# KiCad board UNI_i6.kicad_pcb
title: zensai65_UNI_i6; rev: v1; company: shoonie
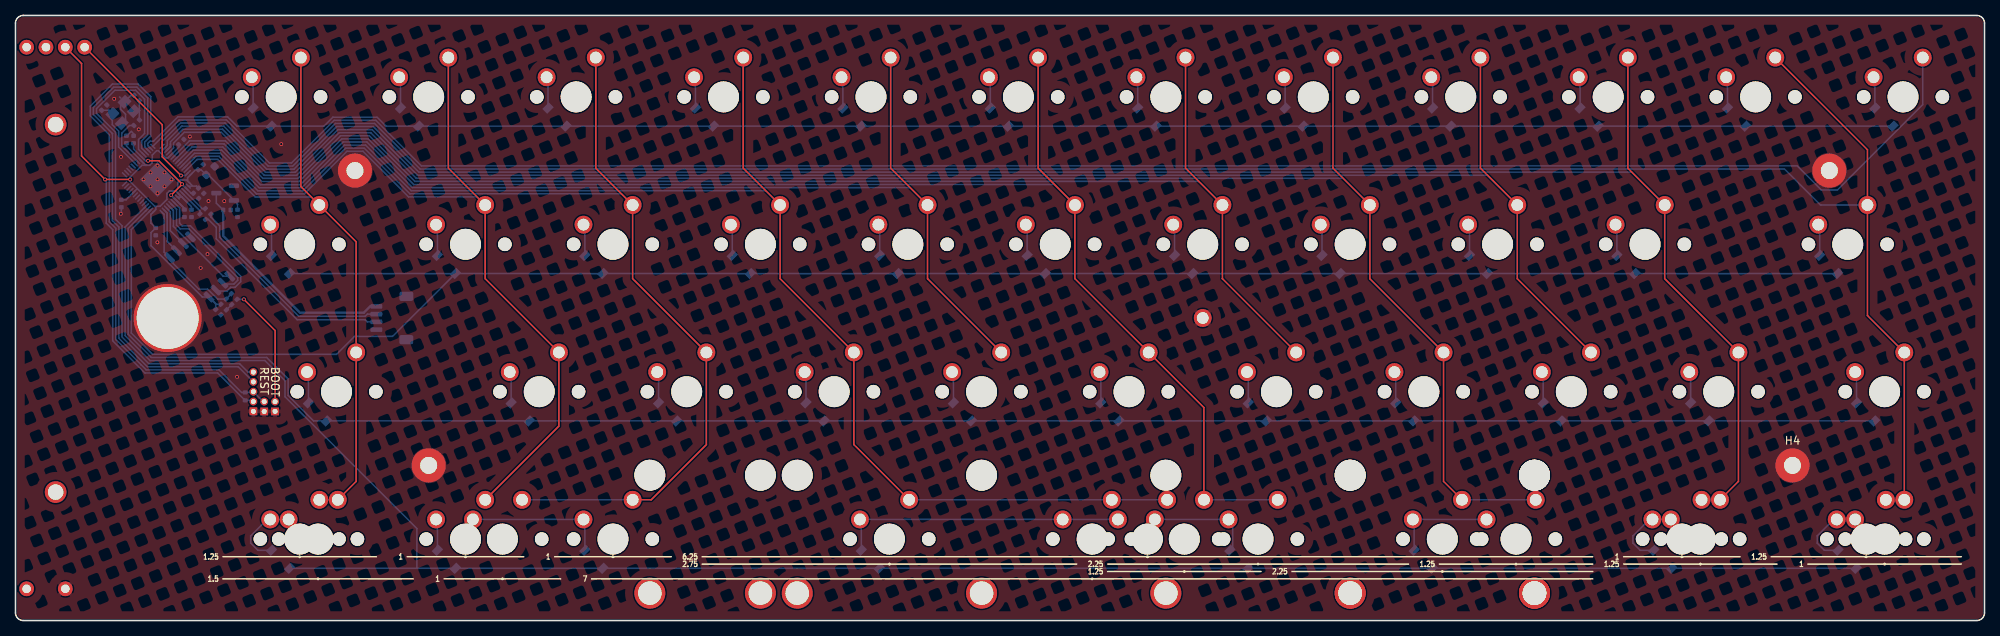
[diagram p0: board, top side]
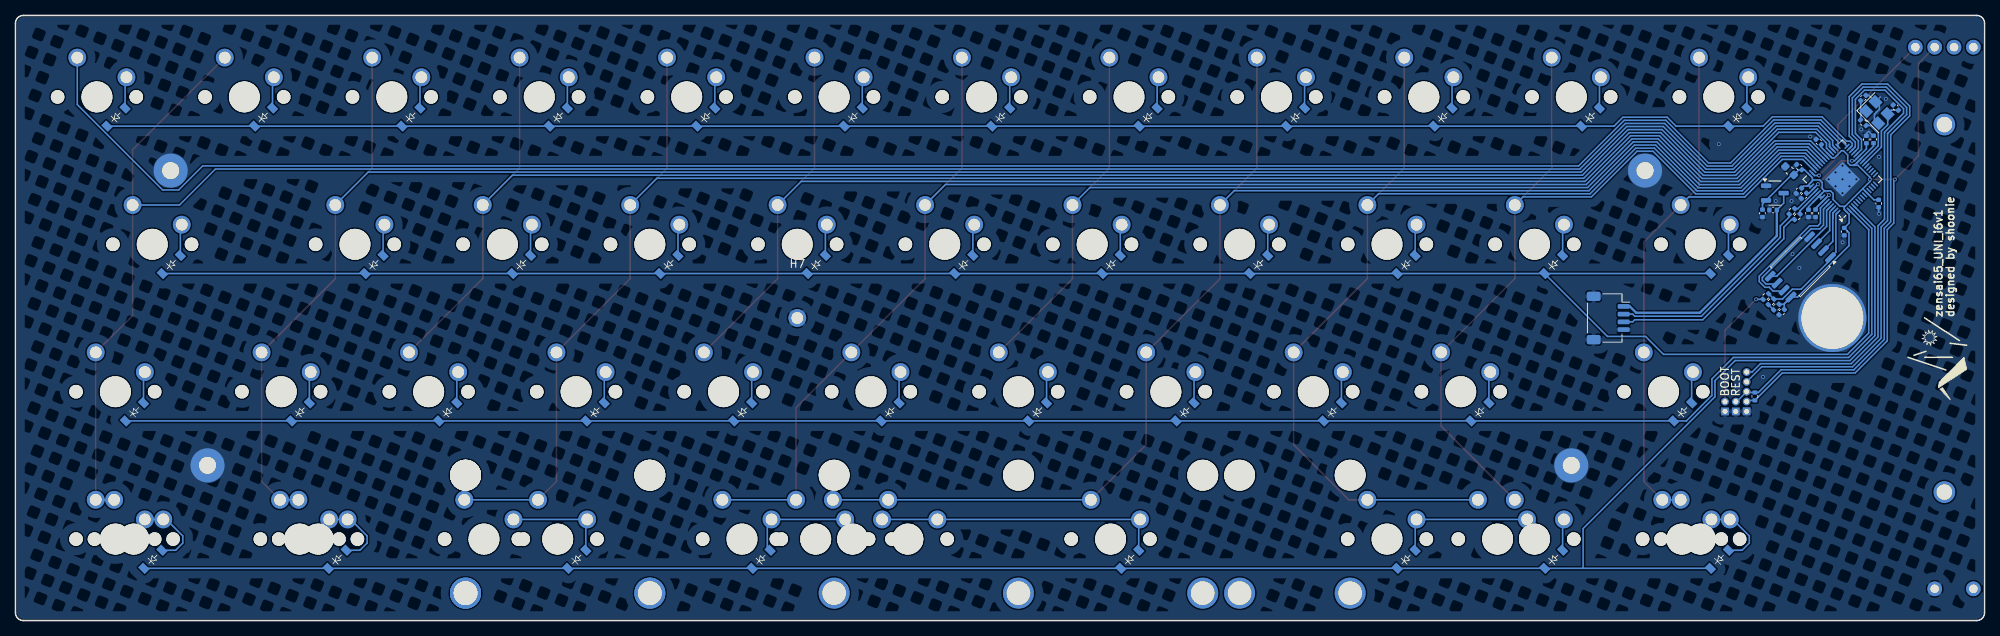
[diagram p1: board, bottom side, seen from below]

Outline 254.41 x 78.2 mm; copper layers: Top, Bottom. Coordinates in mm from the lower left corner of the outline.
Outline path: 0,77.2 0,1 arc(0.29,0.29) 1,0 253.41,0 arc(254.12,0.29) 254.41,1 254.41,77.2 arc(254.12,77.91) 253.41,78.2 1,78.2 arc(0.29,77.91) 0,77.2
Stack: Top 0.035mm / dielectric 1.51mm FR4 er 4.5 / Bottom 0.035mm

## Placement (name value [footprint] x y rotation side)
C1  1u  [C_0402_1005Metric]  27.32 53.06 0 bottom
C2  1u  [C_0402_1005Metric]  28.69 52.63 270 bottom
C3  10u  [C_0603_1608Metric]  25.18 58.14 45 bottom
C4  1u  [C_0402_1005Metric]  23.33 54.89 315 bottom
C5  100n  [C_0402_1005Metric]  21.83 52.63 270 bottom
C6  1u  [C_0402_1005Metric]  23.94 58.6 45 bottom
C7  100n  [C_0402_1005Metric]  23.99 55.55 315 bottom
C8  100n  [C_0402_1005Metric]  22.74 52.63 270 bottom
C9  100n  [C_0402_1005Metric]  21.42 61.85 45 bottom
C10  22p  [C_0402_1005Metric]  11.47 66.29 225 bottom
C11  22p  [C_0402_1005Metric]  15.66 67.54 315 bottom
C12  1u  [C_0402_1005Metric]  26.21 39.86 315 bottom
C13  100n  [C_0402_1005Metric]  15.26 62.16 90 bottom
C14  100n  [C_0402_1005Metric]  14.34 62.18 90 bottom
C15  100n  [C_0402_1005Metric]  18.12 50.26 270 bottom
C16  100n  [C_0402_1005Metric]  13.68 53.9 270 bottom
D1  D_Small  [D_SOD-123_CLEAN]  31.8 65.13 315 bottom
D2  D_Small  [D_SOD-123_CLEAN]  50.85 65.13 315 bottom
D3  D_Small  [D_SOD-123_CLEAN]  69.9 65.13 315 bottom
D4  D_Small  [D_SOD-123_CLEAN]  88.95 65.13 315 bottom
D5  D_Small  [D_SOD-123_CLEAN]  108 65.13 315 bottom
D6  D_Small  [D_SOD-123_CLEAN]  127.05 65.13 315 bottom
D7  D_Small  [D_SOD-123_CLEAN]  146.1 65.13 315 bottom
D8  D_Small  [D_SOD-123_CLEAN]  165.15 65.13 315 bottom
D9  D_Small  [D_SOD-123_CLEAN]  184.2 65.13 315 bottom
D10  D_Small  [D_SOD-123_CLEAN]  203.25 65.13 315 bottom
D11  D_Small  [D_SOD-123_CLEAN]  222.3 65.13 315 bottom
D12  D_Small  [D_SOD-123_CLEAN]  241.35 65.13 315 bottom
D13  D_Small  [D_SOD-123_CLEAN]  34.18 46.08 315 bottom
D14  D_Small  [D_SOD-123_CLEAN]  55.61 46.08 315 bottom
D15  D_Small  [D_SOD-123_CLEAN]  74.66 46.08 315 bottom
D16  D_Small  [D_SOD-123_CLEAN]  93.71 46.08 315 bottom
D17  D_Small  [D_SOD-123_CLEAN]  112.76 46.08 315 bottom
D18  D_Small  [D_SOD-123_CLEAN]  131.81 46.08 315 bottom
D19  D_Small  [D_SOD-123_CLEAN]  150.86 46.08 315 bottom
D20  D_Small  [D_SOD-123_CLEAN]  169.91 46.08 315 bottom
D21  D_Small  [D_SOD-123_CLEAN]  188.96 46.08 315 bottom
D22  D_Small  [D_SOD-123_CLEAN]  208.01 46.08 315 bottom
D23  D_Small  [D_SOD-123_CLEAN]  234.2 46.08 315 bottom
D24  D_Small  [D_SOD-123_CLEAN]  38.94 27.03 315 bottom
D25  D_Small  [D_SOD-123_CLEAN]  65.13 27.03 315 bottom
D26  D_Small  [D_SOD-123_CLEAN]  84.18 27.03 315 bottom
D27  D_Small  [D_SOD-123_CLEAN]  103.23 27.03 315 bottom
D28  D_Small  [D_SOD-123_CLEAN]  122.28 27.03 315 bottom
D29  D_Small  [D_SOD-123_CLEAN]  141.33 27.03 315 bottom
D30  D_Small  [D_SOD-123_CLEAN]  160.38 27.03 315 bottom
D31  D_Small  [D_SOD-123_CLEAN]  179.43 27.03 315 bottom
D32  D_Small  [D_SOD-123_CLEAN]  198.48 27.03 315 bottom
D33  D_Small  [D_SOD-123_CLEAN]  217.53 27.03 315 bottom
D34  D_Small  [D_SOD-123_CLEAN]  238.97 27.03 315 bottom
D35  D_Small  [D_SOD-123_CLEAN]  34.18 7.98 315 bottom
D37  D_Small  [D_SOD-123_CLEAN]  55.61 7.98 315 bottom
D39  D_Small  [D_SOD-123_CLEAN]  74.66 7.98 315 bottom
D40  D_Small  [D_SOD-123_CLEAN]  110.38 7.98 315 bottom
D44  D_Small  [D_SOD-123_CLEAN]  158 7.98 315 bottom
D45  D_Small  [D_SOD-123_CLEAN]  181.82 7.98 315 bottom
D47  D_Small  [D_SOD-123_CLEAN]  212.77 7.98 315 bottom
D49  D_Small  [D_SOD-123_CLEAN]  236.58 7.98 315 bottom
H1  MountingHole_Pad  [MountingHole_2.2mm_M2_Pad]  43.86 58.15 0 top
H2  MountingHole_Pad  [MountingHole_2.2mm_M2_Pad]  234.36 58.15 0 top
H3  MountingHole_Pad  [MountingHole_2.2mm_M2_Pad]  53.39 20.05 0 top
H4  MountingHole_Pad  [MountingHole_2.2mm_M2_Pad]  229.6 20.05 0 top
H5  -  [info]  5.19 39.1 90 bottom
H6  bottom row guide  [bottom_row_guide]  -30.18 3.31 0 top
H7  spring  [MountingHole_6mm_Pad]  153.4 39.1 180 bottom
H8  clearance  [MountingHole_2.2mm_M2_Pad#2]  19.66 39.1 0 top
J1  ZX-SH1.0-4PWT  [JST_SH_SM04B-SRSS-TB_1x04-1MP_P1.00mm_Horizontal]  48.62 39.1 270 bottom
J3  Conn_01x05  [PinHeader_1x05_P1.27mm_Vertical]  30.74 27.03 180 top
R3  5.1k  [R_0402_1005Metric]  29.67 28.97 270 bottom
R4  27  [R_0402_1005Metric]  24.2 52.19 135 bottom
R5  27  [R_0402_1005Metric]  24.88 52.88 135 bottom
R6  1k  [R_0402_1005Metric]  15.66 64.34 225 bottom
R7  1k  [R_0402_1005Metric]  28.26 41.87 135 bottom
R8  5.1k  [R_0402_1005Metric]  27.57 41.19 315 bottom
R9  5.1k  [R_0402_1005Metric]  26.89 40.51 135 bottom
RV1  R_Potentiometer_Dual_MountingPin  [RS6011YA600M]  5.19 39.1 0 top
S40  MX_stab  [STAB_MX_P_2u]  112.92 10.52 180 top
S41  MX_stab  [STAB_MX_P_7u]  139.11 10.52 180 top
S42  MX_stab  [STAB_MX_P_6.25u]  146.26 10.52 180 top
S44  MX_stab  [STAB_MX_P_2u]  160.54 10.52 180 top
S45  MX_stab  [STAB_MX_P_2u]  184.36 10.52 180 top
SW1  MX_SW_solder  [SW_MX_1u]  34.34 67.67 0 top
SW2  MX_SW_solder  [SW_MX_1u]  53.39 67.67 0 top
SW3  MX_SW_solder  [SW_MX_1u]  72.44 67.67 0 top
SW4  MX_SW_solder  [SW_MX_1u]  91.49 67.67 0 top
SW5  MX_SW_solder  [SW_MX_1u]  110.54 67.67 0 top
SW6  MX_SW_solder  [SW_MX_1u]  129.59 67.67 0 top
SW7  MX_SW_solder  [SW_MX_1u]  148.64 67.67 0 top
SW8  MX_SW_solder  [SW_MX_1u]  167.69 67.67 0 top
SW9  MX_SW_solder  [SW_MX_1u]  186.74 67.67 0 top
SW10  MX_SW_solder  [SW_MX_1u]  205.79 67.67 0 top
SW11  MX_SW_solder  [SW_MX_1u]  224.84 67.67 0 top
SW12  MX_SW_solder  [SW_MX_1u]  243.89 67.67 0 top
SW13  MX_SW_solder  [SW_MX_1u]  36.72 48.62 0 top
SW14  MX_SW_solder  [SW_MX_1u]  58.15 48.62 0 top
SW15  MX_SW_solder  [SW_MX_1u]  77.2 48.62 0 top
SW16  MX_SW_solder  [SW_MX_1u]  96.25 48.62 0 top
SW17  MX_SW_solder  [SW_MX_1u]  115.3 48.62 0 top
SW18  MX_SW_solder  [SW_MX_1u]  134.35 48.62 0 top
SW19  MX_SW_solder  [SW_MX_1u]  153.4 48.62 0 top
SW20  MX_SW_solder  [SW_MX_1u]  172.45 48.62 0 top
SW21  MX_SW_solder  [SW_MX_1u]  191.5 48.62 0 top
SW22  MX_SW_solder  [SW_MX_1u]  210.55 48.62 0 top
SW23  MX_SW_solder  [SW_MX_1u]  236.74 48.62 0 top
SW24  MX_SW_solder  [SW_MX_1u]  41.48 29.57 0 top
SW25  MX_SW_solder  [SW_MX_1u]  67.67 29.57 0 top
SW26  MX_SW_solder  [SW_MX_1u]  86.72 29.57 0 top
SW27  MX_SW_solder  [SW_MX_1u]  105.77 29.57 0 top
SW28  MX_SW_solder  [SW_MX_1u]  124.82 29.57 0 top
SW29  MX_SW_solder  [SW_MX_1u]  143.87 29.57 0 top
SW30  MX_SW_solder  [SW_MX_1u]  162.92 29.57 0 top
SW31  MX_SW_solder  [SW_MX_1u]  181.97 29.57 0 top
SW32  MX_SW_solder  [SW_MX_1u]  201.02 29.57 0 top
SW33  MX_SW_solder  [SW_MX_1u]  220.07 29.57 0 top
SW34  MX_SW_solder  [SW_MX_1u]  241.51 29.57 0 top
SW35  MX_SW_solder  [SW_MX_1u]  36.72 10.52 0 top
SW36  MX_SW_solder  [SW_MX_1u]  39.1 10.52 0 top
SW37  MX_SW_solder  [SW_MX_1u]  58.15 10.52 0 top
SW38  MX_SW_solder  [SW_MX_1u]  62.91 10.52 0 top
SW39  MX_SW_solder  [SW_MX_1u]  77.2 10.52 0 top
SW40  MX_SW_solder  [SW_MX_1u]  112.92 10.52 0 top
SW41  MX_SW_solder  [SW_MX_1u]  139.11 10.52 0 top
SW42  MX_SW_solder  [SW_MX_1u]  146.26 10.52 0 top
SW43  MX_SW_solder  [SW_MX_1u]  151.02 10.52 0 top
SW44  MX_SW_solder  [SW_MX_1u]  160.54 10.52 0 top
SW45  MX_SW_solder  [SW_MX_1u]  184.36 10.52 0 top
SW46  MX_SW_solder  [SW_MX_1u]  193.88 10.52 0 top
SW47  MX_SW_solder  [SW_MX_1u]  215.31 10.52 0 top
SW48  MX_SW_solder  [SW_MX_1u]  217.69 10.52 0 top
SW49  MX_SW_solder  [SW_MX_1u]  239.12 10.52 0 top
SW50  MX_SW_solder  [SW_MX_1u]  241.51 10.52 0 top
SW78  SW_RESET  [PinHeader_1x02_P1.27mm_Vertical]  32.14 27.02 180 top
SW79  SW_BOOTSEL  [PinHeader_1x02_P1.27mm_Vertical]  33.54 27.02 180 top
U1  RP2040  [QFN-56-1EP_7x7mm_P0.4mm_EP3.2x3.2mm]  18.35 57.02 45 bottom
U2  XC6206PxxxMR  [SOT-23-3]  27.09 55.24 180 bottom
U4  W25Q128JVS  [SOIC-8_5.23x5.23mm_P1.27mm]  23.8 45.7 315 bottom
Y1  Crystal_GND24  [Crystal_SMD_3225-4Pin_3.2x2.5mm]  13.91 65.66 225 bottom

## Library data of the parts
C1-C16 = -: ki_fp_filters: C_*
D1-D35 D37 D39 D40 D44 D45 D47 D49 = -: Sim.Device: D; Sim.Pins: 1=K 2=A; ki_fp_filters: TO-???* *_Diode_* *SingleDiode* D_*
H1-H4 H8 = -: ki_fp_filters: MountingHole*Pad*
H5 H6 = -: ki_fp_filters: MountingHole*
H7 = -: LCSC Part Number: C30167254; ki_fp_filters: MountingHole*Pad*
J1 = -: LCSC Part Number: C7430446; Manufacturer: Megastar; ki_fp_filters: Connector*:*_1x??-1MP*
J3 = -: ki_fp_filters: Connector*:*_1x??_*
R3-R9 = -: ki_fp_filters: R_*
RV1 = -: Description: Dual potentiometer with a mounting pin; ki_fp_filters: Potentiometer*
U1 = -: Datasheet: https://datasheets.raspberrypi.com/rp2040/rp2040-datasheet.pdf; ki_fp_filters: QFN*1EP*7x7mm?P0.4mm*
U2 = -: Datasheet: https://www.torexsemi.com/file/xc6206/XC6206.pdf; ki_fp_filters: SOT?23?3*
U4 = -: Datasheet: http://www.winbond.com/resource-files/w25q128jv_dtr%20revc%2003272018%20plus.pdf; ki_fp_filters: SOIC*5.23x5.23mm*P1.27mm*
Y1 = -: ki_fp_filters: Crystal*

## Footprints (pads in the part's own frame, mm; a bottom-side part is the same pattern mirrored in y, then rotated)
C_0402_1005Metric
  rrect 0.56x0.62 smd: 1(-0.48,0) 2(0.48,0)
C_0603_1608Metric
  rrect 0.9x0.95 smd: 1(-0.775,0) 2(0.775,0)
Crystal_SMD_3225-4Pin_3.2x2.5mm
  rect 1.4x1.2 smd: 1(-1.1,-0.85) 2(1.1,-0.85) 3(1.1,0.85) 4(-1.1,0.85)
D_SOD-123_CLEAN
  rect 0.9x1.2 smd: 1(1.75,0) 2(-1.55,0)
JST_SH_SM04B-SRSS-TB_1x04-1MP_P1.00mm_Horizontal
  rrect 0.6x1.55 smd: 1(-1.5,2) 2(-0.5,2) 3(0.5,2) 4(1.5,2)
  rrect 1.2x1.8 smd: MP(-2.8,-1.875) MP(2.8,-1.875)
MountingHole_2.2mm_M2_Pad
  round 4.4 hole 2.2: 1(0,0)
MountingHole_2.2mm_M2_Pad#2
  round 8.8 hole 8: 1(0,0)
MountingHole_6mm_Pad
  round 2.3 hole 1.524: 1(0,0)
PinHeader_1x02_P1.27mm_Vertical
  rect 1x1 hole 0.65: 1(0,0)
  oval 1x1 hole 0.65: 2(0,-1.27)
PinHeader_1x05_P1.27mm_Vertical
  rect 1x1 hole 0.65: 1(0,0)
  oval 1x1 hole 0.65: 2(0,-1.27) 3(0,-2.54) 4(0,-3.81) 5(0,-5.08)
QFN-56-1EP_7x7mm_P0.4mm_EP3.2x3.2mm
  rrect 1.29x1.29 smd: (-0.8,-0.8) (-0.8,0.8) (0.8,-0.8) (0.8,0.8)
  rrect 0.875x0.2 smd: 1(-3.438,2.6) 2(-3.438,2.2) 3(-3.438,1.8) 4(-3.438,1.4) 5(-3.438,1) 6(-3.438,0.6) 7(-3.438,0.2) 8(-3.438,-0.2) 9(-3.438,-0.6) 10(-3.438,-1) 11(-3.438,-1.4) 12(-3.438,-1.8) 13(-3.438,-2.2) 14(-3.438,-2.6) 29(3.438,-2.6) 30(3.438,-2.2) 31(3.438,-1.8) 32(3.438,-1.4) 33(3.438,-1) 34(3.438,-0.6) 35(3.438,-0.2) 36(3.438,0.2) 37(3.438,0.6) 38(3.438,1) 39(3.438,1.4) 40(3.438,1.8) 41(3.438,2.2) 42(3.438,2.6)
  rrect 0.2x0.875 smd: 15(-2.6,-3.438) 16(-2.2,-3.438) 17(-1.8,-3.438) 18(-1.4,-3.438) 19(-1,-3.438) 20(-0.6,-3.438) 21(-0.2,-3.438) 22(0.2,-3.438) 23(0.6,-3.438) 24(1,-3.438) 25(1.4,-3.438) 26(1.8,-3.438) 27(2.2,-3.438) 28(2.6,-3.438) 43(2.6,3.438) 44(2.2,3.438) 45(1.8,3.438) 46(1.4,3.438) 47(1,3.438) 48(0.6,3.438) 49(0.2,3.438) 50(-0.2,3.438) 51(-0.6,3.438) 52(-1,3.438) 53(-1.4,3.438) 54(-1.8,3.438) 55(-2.2,3.438) 56(-2.6,3.438)
  rect 3.2x3.2 smd: 57(0,0)
R_0402_1005Metric
  rrect 0.54x0.64 smd: 1(-0.51,0) 2(0.51,0)
RS6011YA600M
  round 1.9 hole 1.1: 1(1.25,35) 2(3.75,35) 3(1.25,-35) 4(-3.75,35) 5(-1.25,35) 6(-3.75,-35)
  round 2.8 hole 2: MP(0,25) MP(0,-22.5)
SOIC-8_5.23x5.23mm_P1.27mm
  rrect 1.6x0.6 smd: 1(-3.6,1.905) 2(-3.6,0.635) 3(-3.6,-0.635) 4(-3.6,-1.905) 5(3.6,-1.905) 6(3.6,-0.635) 7(3.6,0.635) 8(3.6,1.905)
SOT-23-3
  rrect 1.325x0.6 smd: 1(-1.137,0.95) 2(-1.137,-0.95) 3(1.137,0)
STAB_MX_P_2u
  round 4 hole 3.048: (-11.906,6.985) (11.906,6.985)
  round 3.988 hole 3.988 unplated: (-11.906,-8.255) (11.906,-8.255)
STAB_MX_P_6.25u
  round 4 hole 3.048: (-50.006,6.985) (50.006,6.985)
  round 3.988 hole 3.988 unplated: (-50.006,-8.255) (50.006,-8.255)
STAB_MX_P_7u
  round 4 hole 3.048: (-57.15,6.985) (57.15,6.985)
  round 3.988 hole 3.988 unplated: (-57.15,-8.255) (57.15,-8.255)
SW_MX_1u
  round 1.75 hole 1.75 unplated: (-5.08,0) (5.08,0)
  round 3.988 hole 3.988 unplated: (0,0)
  round 2.3 hole 1.524: 1(-3.81,2.54) 2(2.54,5.08)

## Nets
+1V1: C4.1 C5.1 C13.1 U1.23 U1.45 U1.50
+3V3: C2.1 C3.1 C6.1 C7.1 C8.1 C9.1 C12.1 C14.1 C15.1 C16.1 J3.2 R3.2 R9.2 RV1.1 U1.1 U1.10 U1.22 U1.33 U1.42 U1.43 U1.44 U1.48 U1.49 U2.2 U4.8
+5V: C1.1 J1.1 U2.3
GND: C1.2 C2.2 C3.2 C4.2 C5.2 C6.2 C7.2 C8.2 C9.2 C10.1 C11.1 C12.2 C13.2 C14.2 C15.2 C16.2 H1.1 H2.1 H3.1 H4.1 H7.1 H8.1 J1.4 J1.MP J3.1 RV1.3 SW78.1 SW79.1 U1.19 U1.57 U2.1 U4.4 Y1.2 Y1.4
ADC1: RV1.2 U1.41
COL0: SW1.2 SW13.2 SW24.2 SW35.2 SW36.2 U1.40
COL1: SW2.2 SW14.2 SW25.2 SW37.2 U1.39
COL2: SW3.2 SW15.2 SW26.2 SW38.2 SW39.2 U1.38
COL3: SW4.2 SW16.2 SW27.2 SW40.2 SW41.2 SW42.2 U1.37
COL4: SW5.2 SW17.2 SW28.2 U1.36
COL5: SW6.2 SW18.2 SW29.2 SW43.2 SW44.2 U1.35
COL6: SW7.2 SW19.2 SW30.2 U1.34
COL7: SW8.2 SW20.2 SW31.2 SW45.2 SW46.2 U1.32
COL8: SW9.2 SW21.2 SW32.2 U1.31
COL9: SW10.2 SW22.2 SW33.2 SW47.2 SW48.2 U1.30
COL10: SW11.2 SW23.2 SW34.2 SW49.2 SW50.2 U1.29
COL11: SW12.2 U1.28
D+: J1.3 R4.1
D-: J1.2 R5.1
QSPI_SCLK: U1.52 U4.6
QSPI_SD0: U1.53 U4.5
QSPI_SD1: U1.55 U4.2
QSPI_SD2: U1.54 U4.3
QSPI_SD3: U1.51 U4.7
QSPI_SS: R7.2 R8.1 U1.56 U4.1
RESET: J3.3 R3.1 SW78.2 U1.26
ROW0: D1.1 D2.1 D3.1 D4.1 D5.1 D6.1 D7.1 D8.1 D9.1 D10.1 D11.1 D12.1 U1.27
ROW1: D13.1 D14.1 D15.1 D16.1 D17.1 D18.1 D19.1 D20.1 D21.1 D22.1 D23.1 U1.2
ROW2: D24.1 D25.1 D26.1 D27.1 D28.1 D29.1 D30.1 D31.1 D32.1 D33.1 D34.1 U1.3
ROW3: D35.1 D37.1 D39.1 D40.1 D44.1 D45.1 D47.1 D49.1 U1.4
SWCLK: J3.5 U1.24
SWD: J3.4 U1.25
XIN: C10.2 U1.20 Y1.3
XOUT: R6.2 U1.21
Net-(C11-Pad2): C11.2 R6.1 Y1.1
Net-(D1-A): D1.2 SW1.1
Net-(D2-A): D2.2 SW2.1
Net-(D3-A): D3.2 SW3.1
Net-(D4-A): D4.2 SW4.1
Net-(D5-A): D5.2 SW5.1
Net-(D6-A): D6.2 SW6.1
Net-(D7-A): D7.2 SW7.1
Net-(D8-A): D8.2 SW8.1
Net-(D9-A): D9.2 SW9.1
Net-(D10-A): D10.2 SW10.1
Net-(D11-A): D11.2 SW11.1
Net-(D12-A): D12.2 SW12.1
Net-(D13-A): D13.2 SW13.1
Net-(D14-A): D14.2 SW14.1
Net-(D15-A): D15.2 SW15.1
Net-(D16-A): D16.2 SW16.1
Net-(D17-A): D17.2 SW17.1
Net-(D18-A): D18.2 SW18.1
Net-(D19-A): D19.2 SW19.1
Net-(D20-A): D20.2 SW20.1
Net-(D21-A): D21.2 SW21.1
Net-(D22-A): D22.2 SW22.1
Net-(D23-A): D23.2 SW23.1
Net-(D24-A): D24.2 SW24.1
Net-(D25-A): D25.2 SW25.1
Net-(D26-A): D26.2 SW26.1
Net-(D27-A): D27.2 SW27.1
Net-(D28-A): D28.2 SW28.1
Net-(D29-A): D29.2 SW29.1
Net-(D30-A): D30.2 SW30.1
Net-(D31-A): D31.2 SW31.1
Net-(D32-A): D32.2 SW32.1
Net-(D33-A): D33.2 SW33.1
Net-(D34-A): D34.2 SW34.1
Net-(D35-A): D35.2 SW35.1 SW36.1
Net-(D37-A): D37.2 SW37.1
Net-(D39-A): D39.2 SW38.1 SW39.1
Net-(D40-A): D40.2 SW40.1 SW41.1 SW42.1
Net-(D44-A): D44.2 SW43.1 SW44.1
Net-(D45-A): D45.2 SW45.1 SW46.1
Net-(D47-A): D47.2 SW47.1 SW48.1
Net-(D49-A): D49.2 SW49.1 SW50.1
Net-(R7-Pad1): R7.1 SW79.2
Net-(R8-Pad2): R8.2 R9.1
Net-(U1-USB_DM): R5.2 U1.46
Net-(U1-USB_DP): R4.2 U1.47

Pads without a net: RV1 4 5 6 MP; U1 5 6 7 8 9 11 12 13 14 15 16 17 18

## Via types
v1: diameter 0.5, hole 0.3, Top to Bottom, 28 vias

## Routing (per net, layer and track width the routed paths; a pad name or vN(x,y) marks a point on that pad's centre or on a via; arc(x,y) is an arc through that point)
+1V1: length 16.5
  Top w0.2: v1(20.11,54.97) v1(21.53,56.39) 21.53,56.42 18.53,59.42 v1(17.13,59.42)
  Bottom w0.2: 20.95,54.14 21.83,53.26 20.95,54.14 ; 20.95,54.14 U1.50 v1(20.11,54.97) ; v1(21.53,56.39) U1.45 22.69,55.23 C4.1 ; v1(17.13,59.42) 16.8,59.42 U1.23 15.26,60.96 C13.1
+3V3: length 130.9
  Top w0.2: RV1.1 8.54,72 8.54,60.05 v1(11.58,57.01) v1(14.82,57.01)
  Bottom w0.2: 15.73,55.82 15.73,55.81 U1.10 14.29,54.38 C16.1 ; 15.73,55.82 14.82,56.73 14.82,57.31 16.35,58.83 16.93,58.83 ; 15.73,55.82 18.02,53.54 ; 16.82,58.83 16.93,58.83 ; 16.82,58.83 16.5,59.16 U1.22 ; 16.82,58.83 U1.22 ; 16.82,58.83 17.34,58.83 17.68,59.17 17.68,60.17 18.24,60.72 18.46,60.72 19.41,59.78 19.7,59.78 21.08,61.17 C9.1 ; 16.82,58.83 16.93,58.83 ; C7.1 23.39,56.15 U1.44 ; C3.1 23.97,58.26 C6.1 23.26,58.26 U1.42 22.24,57.24 22.24,56.81 ; C12.1 25.87,40.94 U4.8 ; 21.49,54.73 U1.49 ; 21.49,54.73 U1.48 ; 21.49,54.73 22.17,54.05 ; 22.17,54.05 22.74,53.48 C8.1 ; 22.17,54.05 U1.48 ; U1.48 20.7,55.52 20.67,55.52 ; 20.67,55.52 20.98,55.83 20.98,56.62 21.3,56.94 22.11,56.94 22.24,56.81 ; 20.67,55.52 20.26,55.52 20.25,55.52 19.89,55.52 19.56,55.2 19.56,54.42 18.68,53.54 18.02,53.54 ; U1.22 14.34,61.32 C14.1 ; U4.8 25.94,40.87 R9.2 ; U4.8 24.15,41.81 17.51,48.45 17.51,50.13 C15.1 17.5,51.37 17.5,52.49 U1.1 18.13,53.13 18.13,53.42 18.02,53.54 ; v1(11.58,57.01) 11.73,56.86 11.73,51.36 12.56,50.52 12.56,36.16 16.72,32 26.13,32 R3.2 30.59,28.46 ; 22.24,56.81 U1.43 ; C2.1 28.69,53.83 U2.2 24.93,57.59
+5V: length 30.1
  Bottom w0.2: C1.1 25.95,53.94 U2.3
  Bottom w0.3: C1.1 26.84,49.71 36.78,39.77 45,39.77 45.83,40.6 J1.1
GND: length 7.3
  Bottom w0.2: 14.41,62.66 14.97,63.22 15.28,62.91 ; C11.1 14.92,67.88 Y1.4 13.59,66.54 13.59,66.07 14.22,65.44 14.22,64.77 Y1.2 ; C16.2 13.68,52.63 v1(13.62,52.57) ; 13.44,67.67 13.6,67.51
  vias: v1(12.75,67.42) v1(13.64,59.93) v1(15.93,63.48) v1(16.55,57.02) v1(17.45,57.92) v1(17.45,56.12) v1(18.35,58.79) v1(18.35,57.02) v1(18.35,55.23) v1(18.34,48.88) v1(19.25,57.92) v1(19.25,56.12) v1(20.15,57.02) v1(22.53,62.55) v1(23.92,45.58) v1(24.81,47.35) v1(24.94,54.21) v1(26.97,54.21) v1(28.62,31.49) v1(34.34,61.58)
ADC1: length 22.9
  Top w0.2: v1(21.38,57.51) 18.96,59.93 18.96,64.07 RV1.2
  Bottom w0.2: U1.41 21.96,57.51 v1(21.38,57.51)
COL0: length 83.7
  Top w0.2: SW36.2 44.02,17.99 SW24.2 44.02,48.94 SW13.2 36.88,56.09 SW1.2
  Bottom w0.2: U1.40 23.47,59.6 26.12,59.6 30.98,54.74 38.22,54.74 SW13.2 ; SW35.2 SW36.2
COL1: length 113.7
  Top w0.2: SW2.2 55.93,58.47 SW14.2 60.69,44.18 SW25.2 70.21,25.13 SW37.2
  Bottom w0.2: U1.39 23.31,60 26.29,60 31.15,55.14 37.32,55.14 42.83,60.65 44.9,60.65 50.79,54.75 59.64,54.75 SW14.2
COL2: length 149
  Top w0.2: SW39.2 82.14,15.6 89.26,22.73 SW26.2 79.74,44.18 SW15.2 74.98,58.47 SW3.2
  Bottom w0.2: SW15.2 78.29,55.15 50.96,55.15 45.06,61.05 42.66,61.05 37.15,55.54 31.31,55.54 26.46,60.4 23.14,60.4 U1.38 ; SW38.2 SW39.2
COL3: length 185.2
  Top w0.2: SW40.2 108.31,22.75 SW27.2 98.79,44.18 SW16.2 94.03,58.47 SW4.2
  Bottom w0.2: SW16.2 96.94,55.55 51.12,55.55 45.23,61.45 42.5,61.45 36.98,55.94 31.48,55.94 26.62,60.8 22.97,60.8 U1.37 ; SW40.2 SW42.2
COL4: length 149.4
  Top w0.2: SW28.2 117.84,44.18 SW17.2 113.08,58.47 SW5.2
  Bottom w0.2: U1.36 22.81,61.2 26.79,61.2 31.65,56.34 36.82,56.34 42.33,61.85 45.4,61.85 51.29,55.95 115.59,55.95 SW17.2
COL5: length 200.5
  Top w0.2: SW6.2 132.13,58.47 SW18.2 136.89,44.18 SW29.2 153.56,27.51 SW43.2
  Bottom w0.2: U1.35 22.64,61.6 26.95,61.6 31.81,56.74 36.65,56.74 42.16,62.25 45.56,62.25 51.46,56.35 134.24,56.35 SW18.2 ; SW43.2 SW44.2
COL6: length 188.5
  Top w0.2: SW7.2 151.18,58.47 SW19.2 155.94,44.18 SW30.2
  Bottom w0.2: SW19.2 152.89,56.75 51.62,56.75 45.73,62.65 42,62.65 36.49,57.14 31.98,57.14 27.12,62 22.48,62 U1.34
COL7: length 238.7
  Top w0.2: SW45.2 184.51,17.99 SW31.2 174.99,44.18 SW20.2 170.23,58.47 SW8.2
  Bottom w0.2: SW20.2 171.54,57.15 51.79,57.15 45.89,63.05 41.83,63.05 36.32,57.54 32.14,57.54 26.58,63.1 21.81,63.1 20.42,61.71 20.42,61.07 U1.32 ; SW45.2 SW46.2
COL8: length 229.8
  Top w0.2: SW9.2 189.28,58.47 SW21.2 194.04,44.18 SW32.2
  Bottom w0.2: 20.02,61.24 U1.31 20.02,61.24 ; 20.02,61.24 20.02,61.58 ; 20.02,61.24 20.02,61.58 ; 20.02,61.58 20.02,61.87 21.65,63.5 26.75,63.5 32.31,57.94 36.16,57.94 41.67,63.45 46.06,63.45 51.95,57.55 190.19,57.55 SW21.2
COL9: length 270.7
  Top w0.2: SW10.2 208.33,58.47 SW22.2 213.09,44.18 SW33.2 222.61,17.99 SW48.2
  Bottom w0.2: SW22.2 208.84,57.95 52.12,57.95 46.22,63.85 41.5,63.85 35.99,58.34 32.47,58.34 26.92,63.9 21.48,63.9 19.62,62.04 19.62,61.4 U1.30 ; SW47.2 SW48.2
COL10: length 297.3
  Top w0.2: SW50.2 SW34.2 239.28,39.42 SW23.2 239.28,60.85 SW11.2
  Bottom w0.2: U1.29 18.94,61.93 21.31,64.3 27.08,64.3 32.64,58.74 35.83,58.74 41.34,64.25 46.39,64.25 52.28,58.35 228.57,58.35 233.22,53.7 SW23.2 ; SW49.2 SW50.2
COL11: length 249
  Bottom w0.2: SW12.2 246.43,66.68 235.4,55.65 233.33,55.65 230.22,58.75 52.45,58.75 46.55,64.65 41.17,64.65 35.66,59.14 32.8,59.14 27.25,64.7 21.15,64.7 17.76,61.31 U1.28
D+: length 28.4
  Bottom w0.2: R4.1 24.93,51.83 25.94,50.82 25.94,49.34 36.4,38.87 45.19,38.87 45.46,38.6 J1.3
D-: length 28
  Bottom w0.2: J1.2 45.46,39.6 45.19,39.32 36.59,39.32 26.39,49.53 26.39,51 25.24,52.15 R5.1
QSPI_SCLK: length 16.1
  Bottom w0.2: 26.91,43.49 28.23,43.49 28.71,43.97 28.71,44.34 22.43,50.62 21.3,50.62 20.8,51.11 20.8,53.15 U1.52
QSPI_SD0: length 13.2
  Bottom w0.2: 20.4,52.99 20.4,50.94 26.84,44.51 U4.5 ; 20.4,52.99 20.17,53.22 ; 20.4,52.99 U1.53
QSPI_SD1: length 6.5
  Bottom w0.2: 19.6,52.05 19.6,49 U4.2 ; 19.6,52.05 19.6,52.66 ; 19.6,52.05 19.6,52.66 ; 19.6,52.66 U1.55
QSPI_SD2: length 5.5
  Bottom w0.2: U1.54 20,52.82 20,50.4 U4.3
QSPI_SD3: length 18.2
  Bottom w0.2: 26.01,42.59 27.33,42.59 27.81,43.07 28.38,43.07 29.11,43.8 29.11,44.5 22.59,51.02 21.53,51.02 21.2,51.35 21.2,53.32 U1.51
QSPI_SS: length 16.6
  Bottom w0.2: 19.9,46.62 23.69,42.83 24.82,42.83 26.1,41.55 R8.1 R7.2 ; U1.56 19.2,52.49 19.2,47.6 U4.1
RESET: length 71
  Bottom w0.2: 32.02,28.29 J3.3 ; U1.26 16.7,61.22 16.7,61.84 17.48,62.62 17.48,67.71 15.85,69.34 12.52,69.34 9.67,66.48 9.67,65.23 12.13,62.77 12.13,51.52 12.96,50.69 12.96,36.32 16.89,32.4 26.29,32.4 29.22,29.48 R3.1 30.64,29.48
ROW0: length 229.6
  Bottom w0.2: D12.1 D11.1 D10.1 D9.1 D8.1 D7.1 D6.1 D5.1 D4.1 D3.1 D2.1 47.87,63.9 46.72,65.05 41,65.05 39.85,63.9 D1.1 28.61,63.9 27.41,65.1 20.98,65.1 17.84,61.95 17.38,61.95 17.1,61.67 17.1,61.38 U1.27 17.18,61.31
ROW1: length 264.3
  Bottom w0.2: D23.1 D22.1 D21.1 D20.1 D19.1 D18.1 D17.1 D16.1 D15.1 D14.1 ; D14.1 D13.1 ; D14.1 48.72,36.72 43.8,36.72 41.48,34.4 17.72,34.4 14.96,37.15 14.96,50.52 U1.2
ROW2: length 248.9
  Bottom w0.2: U1.3 14.56,50.69 14.56,36.99 17.55,34 32.45,34 35.23,31.23 35.23,29.09 38.52,25.8 D24.1 D25.1 D26.1 D27.1 D28.1 D29.1 D30.1 D31.1 D32.1 D33.1 D34.1
ROW3: length 274.7
  Bottom w0.2: D49.1 D47.1 D45.1 D44.1 D40.1 D39.1 D37.1 51.86,6.75 ; U1.4 14.16,50.85 14.16,36.82 17.38,33.6 32.22,33.6 34.83,30.99 34.83,28.92 51.86,11.89 51.86,6.75 ; 51.86,6.75 D35.1
SWCLK: length 65.2
  Bottom w0.2: U1.24 15.9,60.89 15.9,62.17 16.68,62.95 16.68,67.37 15.52,68.54 12.85,68.54 10.47,66.15 10.47,65.56 12.93,63.1 12.93,51.85 13.76,51.02 13.76,36.66 17.22,33.2 28.95,33.2 30.03,32.11 J3.5
SWD: length 67.3
  Bottom w0.2: U1.25 16.3,61.05 16.3,62 17.08,62.79 17.08,67.54 15.68,68.94 12.68,68.94 10.07,66.32 10.07,65.4 12.53,62.93 12.53,51.69 13.36,50.85 13.36,36.49 17.05,32.8 28.78,32.8 J3.4
XIN: length 9.3
  Bottom w0.2: 12.51,65.46 12.51,64.08 13.33,63.27 13.33,61.2 U1.20 ; C10.2 12.05,65.95 Y1.3
XOUT: length 6.5
  Bottom w0.2: R6.2 14.72,63.98 13.73,62.98 13.73,61.36 U1.21
Net-(C11-Pad2): length 2.5
  Bottom w0.2: 16,64.72 C11.2
Net-(D1-A): length 3.8
  Bottom w0.2: D1.2 30.7,70.04
Net-(D2-A): length 3.8
  Bottom w0.2: D2.2 49.75,70.04
Net-(D3-A): length 3.8
  Bottom w0.2: D3.2 68.8,70.04
Net-(D4-A): length 3.8
  Bottom w0.2: D4.2 87.85,70.04
Net-(D5-A): length 3.8
  Bottom w0.2: D5.2 106.9,70.04
Net-(D6-A): length 3.8
  Bottom w0.2: D6.2 125.95,70.04
Net-(D7-A): length 3.8
  Bottom w0.2: D7.2 145,70.04
Net-(D8-A): length 3.8
  Bottom w0.2: D8.2 164.05,70.04
Net-(D9-A): length 3.8
  Bottom w0.2: D9.2 183.1,70.04
Net-(D10-A): length 3.8
  Bottom w0.2: D10.2 202.15,70.04
Net-(D11-A): length 3.8
  Bottom w0.2: D11.2 221.2,70.04
Net-(D12-A): length 3.8
  Bottom w0.2: D12.2 240.25,70.04
Net-(D13-A): length 3.8
  Bottom w0.2: D13.2 33.08,50.99
Net-(D14-A): length 3.8
  Bottom w0.2: D14.2 54.51,50.99
Net-(D15-A): length 3.8
  Bottom w0.2: D15.2 73.56,50.99
Net-(D16-A): length 3.8
  Bottom w0.2: D16.2 92.61,50.99
Net-(D17-A): length 3.8
  Bottom w0.2: D17.2 111.66,50.99
Net-(D18-A): length 3.8
  Bottom w0.2: D18.2 130.71,50.99
Net-(D19-A): length 3.8
  Bottom w0.2: D19.2 149.76,50.99
Net-(D20-A): length 3.8
  Bottom w0.2: D20.2 168.81,50.99
Net-(D21-A): length 3.8
  Bottom w0.2: D21.2 187.86,50.99
Net-(D22-A): length 3.8
  Bottom w0.2: D22.2 206.91,50.99
Net-(D23-A): length 3.8
  Bottom w0.2: D23.2 233.11,50.99
Net-(D24-A): length 3.8
  Bottom w0.2: D24.2 37.85,31.94
Net-(D25-A): length 3.8
  Bottom w0.2: D25.2 64.04,31.94
Net-(D26-A): length 3.8
  Bottom w0.2: D26.2 83.09,31.94
Net-(D27-A): length 3.8
  Bottom w0.2: D27.2 102.14,31.94
Net-(D28-A): length 3.8
  Bottom w0.2: D28.2 121.19,31.94
Net-(D29-A): length 3.8
  Bottom w0.2: D29.2 140.24,31.94
Net-(D30-A): length 3.8
  Bottom w0.2: D30.2 159.29,31.94
Net-(D31-A): length 3.8
  Bottom w0.2: D31.2 178.34,31.94
Net-(D32-A): length 3.8
  Bottom w0.2: D32.2 197.39,31.94
Net-(D33-A): length 3.8
  Bottom w0.2: D33.2 216.44,31.94
Net-(D34-A): length 3.8
  Bottom w0.2: D34.2 237.87,31.94
Net-(D35-A): length 9.4
  Bottom w0.2: D35.2 31.31,9.08 30.39,10.01 30.39,10.94 32.52,13.06 ; SW35.1 SW36.1
Net-(D37-A): length 3.8
  Bottom w0.2: D37.2 54.51,12.89
Net-(D39-A): length 18.1
  Bottom w0.2: SW39.1 SW38.1 ; D39.2 73.56,12.89
Net-(D40-A): length 37.1
  Bottom w0.2: D40.2 109.28,12.89 ; SW40.1 SW42.1
Net-(D44-A): length 13.1
  Bottom w0.2: D44.2 157.27,9.45 157.27,12.52 ; SW43.1 SW44.1
Net-(D45-A): length 13.3
  Bottom w0.2: D45.2 180.72,12.89 ; SW46.1 SW45.1
Net-(D47-A): length 9.4
  Bottom w0.2: SW47.1 SW48.1 ; D47.2 209.91,9.08 208.98,10.01 208.98,10.94 211.11,13.06
Net-(D49-A): length 9.4
  Bottom w0.2: 234.92,13.06 232.79,10.94 232.79,10.01 233.72,9.08 D49.2 ; SW49.1 SW50.1
Net-(R7-Pad1): length 15.8
  Top w0.2: SW79.2 33.54,37.49 v1(29.51,41.51)
  Bottom w0.2: R7.1 v1(29.51,41.51)
Net-(R8-Pad2): length 1
  Bottom w0.2: R9.1 R8.2
Net-(U1-USB_DM): length 3.7
  Bottom w0.2: R5.2 24.11,53.24 U1.46
Net-(U1-USB_DP): length 3.7
  Bottom w0.2: R4.2 23.84,52.95 U1.47

## Copper pours and planes (outline as drawn; the poured copper is in the pictures)
GND on Top, Bottom: -3.76,81.96 258.17,81.96 258.17,-3.76 -3.76,-3.76

## Text on the board
B.Silkscreen: BOOT | REST
F.Silkscreen: 2.25 | 1.25 | 1.5 | 1 | 7 | 6.25 | 2.75 | BOOT | REST
